# Allegro board mb1260.brd (continued)
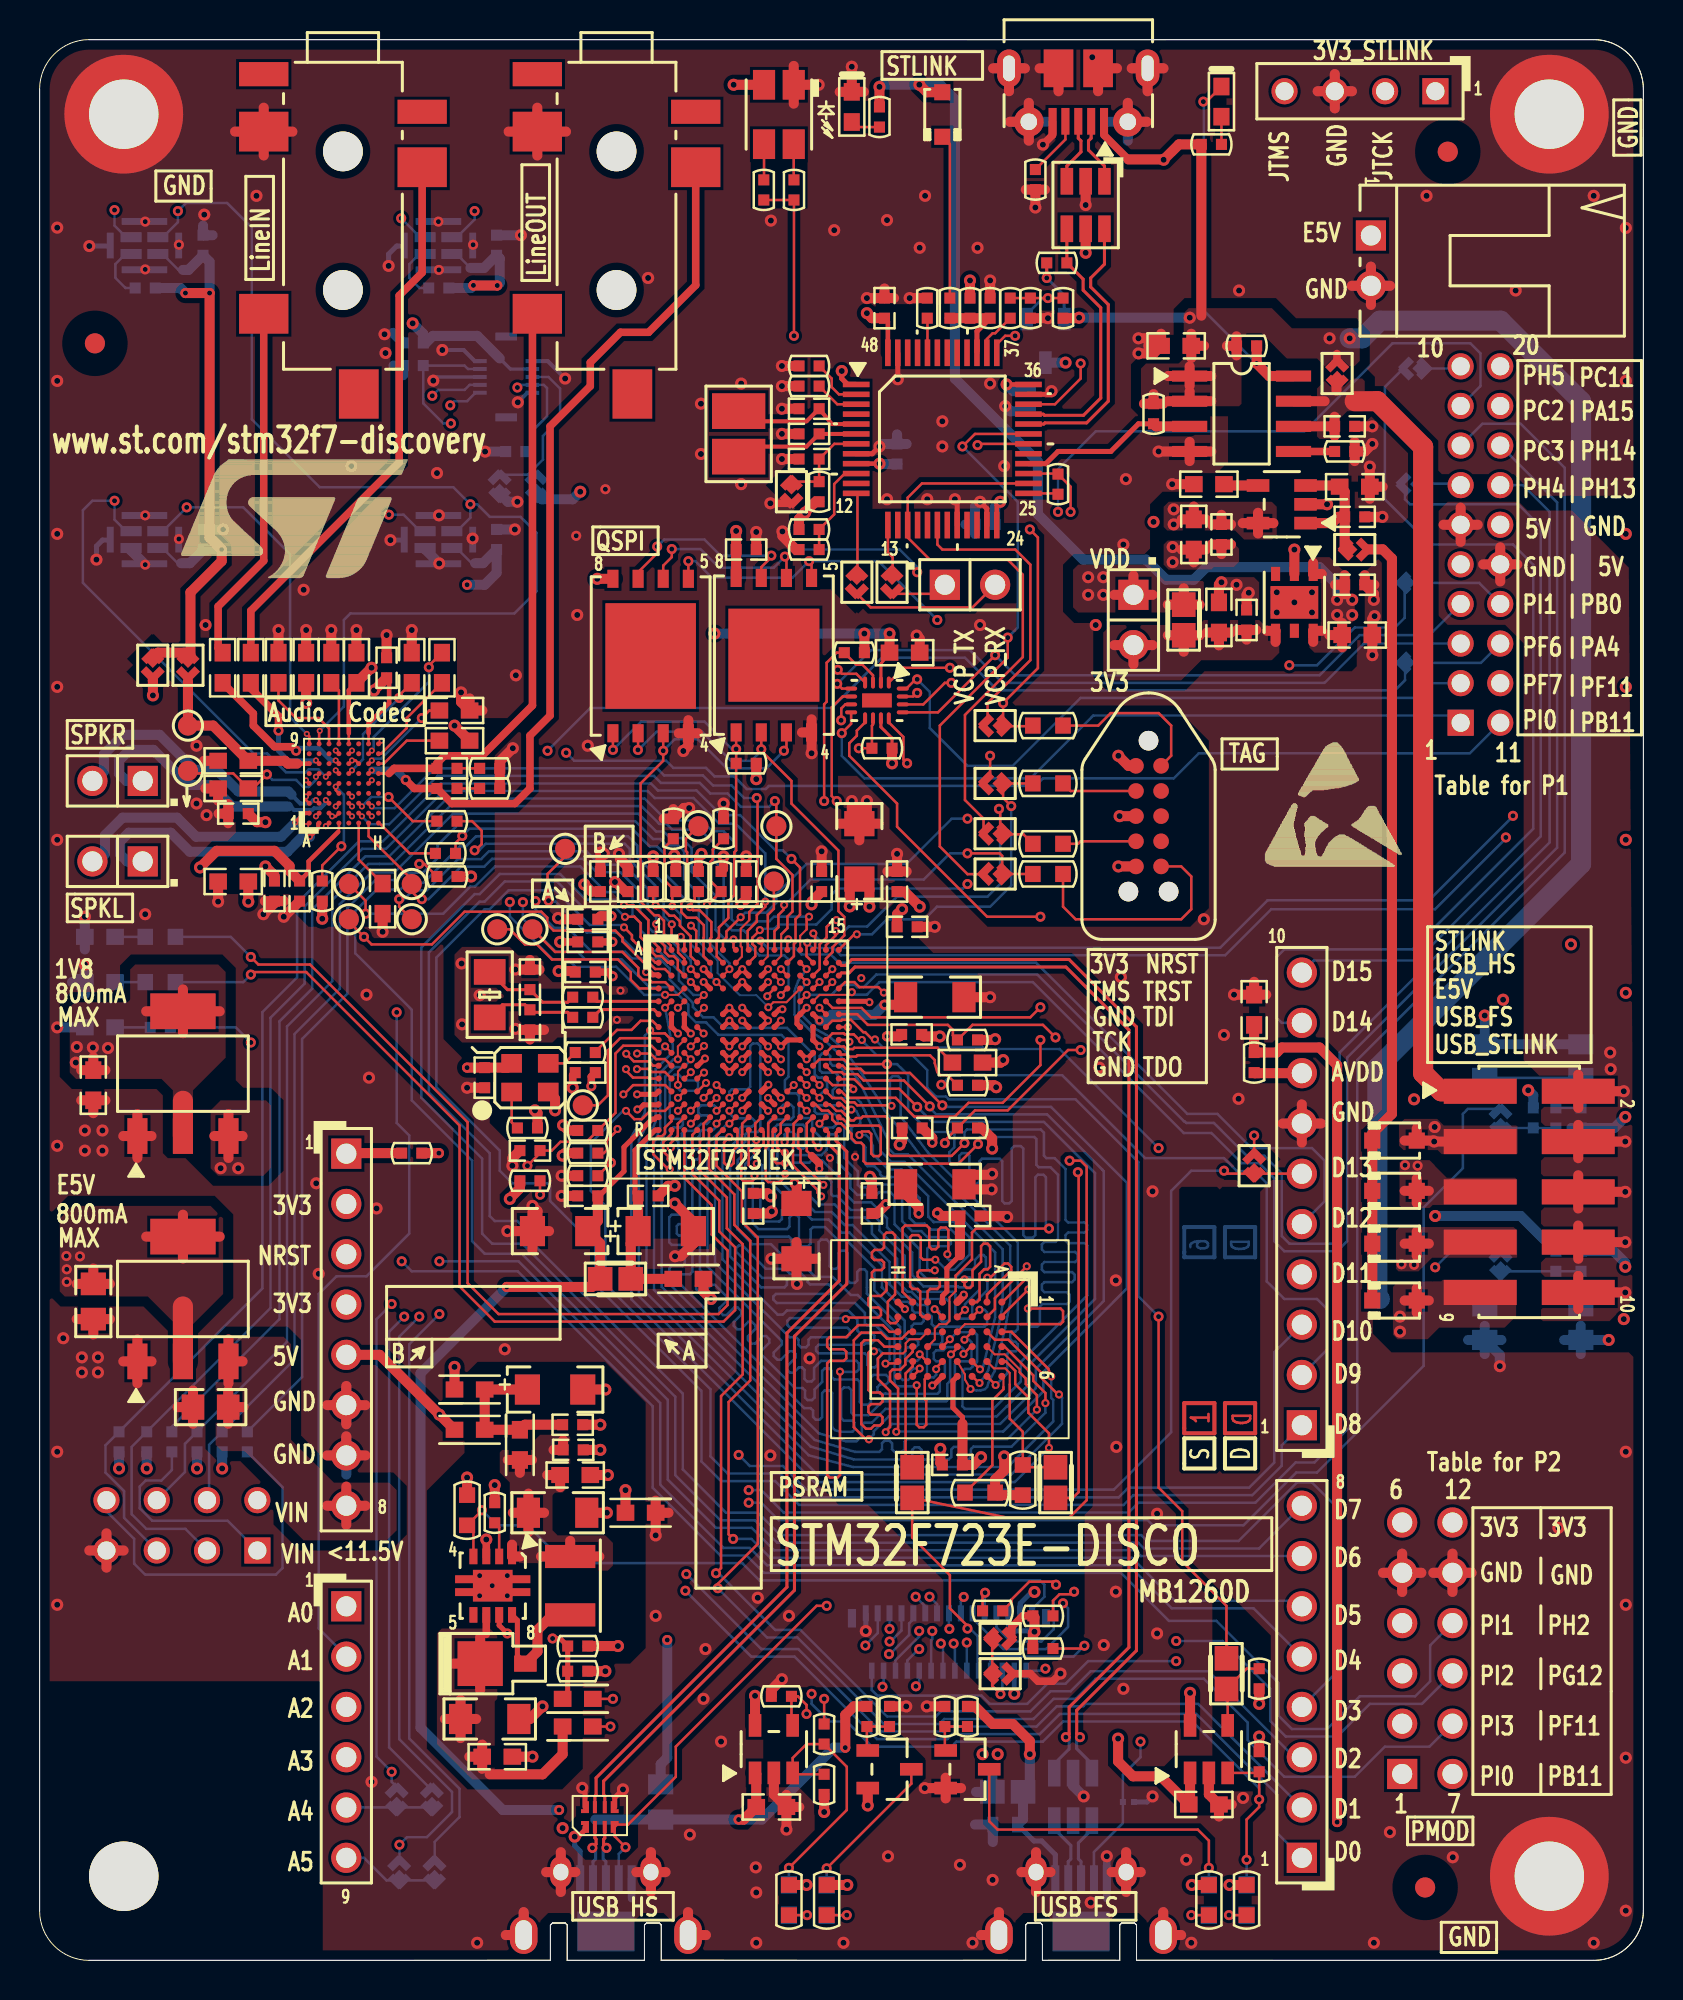
[diagram p0: board, top side]
## Routing (per net, layer and track width the routed paths; a pad name or vN(x,y) marks a point on that pad's centre or on a via; arc(x,y) is an arc through that point) (continued)
5V: length 96.6
  TOP w0.508: 64.32,66.59 U4.6 64.76,67.14 ; v4(44.43,94.72) 44.81,94.34 D1.1 ; 65.91,69.47 65.91,69.95 ; 65.91,69.47 65.43,69.47 ; 65.91,69.47 65.91,68.99 ; 70.91,72.5 P1.6 ; P1.6 71.77,73.36 ; P1.6 71.77,71.64 ; P1.6 72.64,72.5 ; 42.42,93.6 v4(42.42,94.61) ; v4(36.13,13.36) U13.5 ; 77.71,40.51 CN8.4 ; CN8.4 v4(80.09,41.35) ; CN8.4 77.71,42.19 ; 72.91,70.5 P1.15 ; P1.15 73.77,69.64 ; P1.15 73.77,71.36 ; P1.15 74.64,70.5 ; CN8.2 v4(80.01,43.89) ; CN8.2 77.71,43.05 ; CN8.2 77.71,44.73 ; CN8.8 77.71,37.11 ; CN8.8 v4(80.09,36.27) ; CN8.8 77.71,35.43 ; 65.14,66.93 C17.2 ; C17.2 65.79,66.32 ; C17.2 65.79,67.54 ; CN12.5 17.17,30.58 v4(20.19,27.56) L3.1 ; 77.71,37.97 CN8.6 ; CN8.6 v4(80.09,38.81) ; CN8.6 77.71,39.65 ; 64.76,70.02 U4.1 64.32,70.57 ; 77.71,32.89 CN8.10 ; CN8.10 77.71,34.57 ; CN8.10 v4(80.09,33.73) ; U14.5 v4(58.11,13.51)
  L4_SIG w0.508: P1.6 71.77,73.36 ; P1.6 72.64,72.5 ; P1.6 70.91,72.5 ; P1.6 71.77,71.64 ; 73.77,69.64 P1.15 ; P1.15 73.77,71.36 ; P1.15 72.91,70.5 ; P1.15 74.64,70.5
  BOTTOM w0.508: v4(65.53,68.71) 65.53,69.47 64.64,70.36 58.93,70.36 58.29,69.72 56.9,69.72 55.88,70.74 52.7,70.74 50.42,73.03 50.42,75.69 46.23,79.88 46.23,93.98 45.48,94.72 v4(44.43,94.72) 42.53,94.72 v4(42.42,94.61)
  vias: v4(65.53,67.94) v4(66.29,68.71) v4(66.29,67.94) v4(79.32,45.85) v4(79.35,45.01)
5V_ST_LINK: length 44.4
  TOP w0.508: U1.7 64.9,78.74 ; SB3.2 65.5,79.28 ; U1.6 C5.2 ; C5.2 65.41,76.99 ; C5.2 65.41,77.95
  TOP w1.016: CN8.1 70.79,43.89 69.88,44.81 69.88,76.43 67.56,78.74 66.42,78.74
5V_USB_FS: length 42.4
  TOP w0.508: D3.1 70.16,36.2 ; D3.1 69.55,35.58 ; D3.1 68.94,36.2 ; D3.1 69.55,36.81
  L4_SIG w1.016: 68.84,34.22 66.32,31.7 66.32,26.95 64.52,25.15 63.22,25.15 59.94,21.87 59.94,12.32 57.58,9.96 50.98,9.96 50.42,9.4 49.2,9.4
  BOTTOM w0.508: 48.12,9.31 R99.2 47.29,8.51
  vias: v2(68.78,35.15) v2(69.42,35.13) v4(47.62,10.41) v4(48.39,10.41)
5V_USB_HS: length 109
  TOP w0.254: U15.1 27.55,6.59 27.2,6.25 v4(27.03,6.25)
  TOP w0.508: R74.2 41.12,12.83 40.69,12.4 v2(40.69,10.74) ; U13.1 36.2,9.41 C78.1 35.56,7.11 v2(35.31,7.11) ; 68.94,41.4 D5.1 ; D5.1 69.55,42.01 ; D5.1 70.38,41.4 v4(70.43,41.35) CN8.3
  L4_SIG w1.016: 72.06,41.61 72.64,41.02 72.64,29.18 66.75,23.29 66.75,5.54 64.64,3.43 62.84,3.43 62,4.27 62,5.46 61.01,6.45 48.17,6.45 39.29,6.45 37.52,8.23 31.04,8.23 29.57,6.76 28.07,6.76
  BOTTOM w0.254: v4(27.03,6.25) 27.03,5.79 27.3,5.51 CN19.1
  BOTTOM w0.508: 28.07,7.11 R98.2 v2(35.31,7.11) 36.47,7.11 40.11,10.74 v2(40.69,10.74)
  vias: v4(26.42,6.68) v4(70.46,42.09)
5V_USB_ST_LINK: length 103
  TOP w0.381: 54.99,90.95 53.76,92.18 CN1.1 ; SB3.1 65.52,81.14
  TOP w0.508: R11.1 52.48,82.93 v4(52.5,82.96) ; D2.1 70.16,33.32 ; D2.1 68.94,33.32 ; D2.1 69.55,32.71 ; D2.1 69.55,33.93 ; 55.78,78.61 R20.2 ; R20.2 56.74,78.61 ; R20.2 56.26,79.1 ; U21.5 v4(52.83,86.23) ; 56.99,80.01 U1.1 ; U1.1 59.17,80.01 ; U1.1 58.08,79.53 ; U1.1 58.08,80.49 ; C3.2 58.81,81.53 ; C3.2 58.17,80.92 ; C3.2 58.17,82.14 ; 58.67,83.06 R2.2 57.55,91.71 v4(56.77,90.93) 56.75,90.95 54.99,90.95 ; 60.45,81.05 R15.2 ; R15.2 60.45,82.02 ; R15.2 59.97,81.53 ; 56.99,78.74 U1.2 ; U1.2 59.17,78.74 ; U1.2 58.08,79.22
  L4_SIG w0.508: v4(52.5,82.96) 52.5,85.9 v4(52.83,86.23)
  BOTTOM w0.508: v4(52.5,82.96) v4(58.09,82.96)
  BOTTOM w1.016: v4(66.17,81.92) 66.8,81.92 67.69,82.8 73.79,82.8 77.85,78.74 77.85,55.37 67.56,45.09 67.56,33.53 67.69,33.4
  vias: v4(65.15,81.92) v4(68.71,32.51) v4(68.71,31.75)
GND: length 438.4
  TOP w0.127: U7.D6 v3(14.96,60.1) ; U7.C1 v3(14.46,57.28) ; U7.F7 15.96,60.6 v3(15.78,60.6) U7.E7 ; U7.A3 13.46,58.6 v3(13.46,58.78) U7.A4 ; U7.E2 v3(15.78,57.78) ; U7.A5 v3(13.46,59.6) ; U7.E8 v3(15.78,61.1) ; U7.G5 v3(16.78,59.6) ; U7.A1 v3(13.46,57.28) ; U7.H9 v3(17.28,61.6)
  TOP w0.152: 43.05,61.21 43.05,61.72 42.49,62.28 U20.11
  TOP w0.254: U8.J8 v1(35.49,45.51) ; U8.F10 37.36,48.03 v1(37.52,48.03) ; U8.K7 v1(34.84,44.86) 34.51,45.18 U8.K6 ; U2.23 47.84,73.32 v4(47.5,73.66) ; U8.F7 v1(34.84,48.11) 34.51,47.79 U8.F6 ; U8.M8 v1(35.49,43.56) ; U8.D8 v1(35.49,49.41) 35.16,49.09 U8.D7 ; U8.J10 v1(37.44,45.51) ; U2.47 v4(43.34,79.85) ; v4(42.42,76.45) 42.05,76.08 U2.8 ; U8.H7 v1(34.84,46.16) 34.51,46.48 U8.H6 ; U8.J7 v1(34.84,45.51) 34.51,45.83 U8.J6 ; v1(32.24,46.81) U8.G2 U8.F2 ; U8.K8 v1(35.49,44.86) ; U10.H1 v1(43.7,32.89) ; U8.J9 v1(36.79,45.51) ; U15.8 27.55,8.57 v4(27.41,8.71) ; U8.D9 v1(36.79,49.41) ; v1(38.74,48.11) U8.F12 38.25,47.62 38.25,47.3 38.41,47.14 U8.G12 ; U15.5 29.05,8.22 v4(29.46,8.64) ; U8.H12 37.77,46.48 v1(37.44,46.16) U8.H10 ; U8.K9 v1(36.79,44.86) ; U10.E6 45.14,29.03 v1(45.09,29.03) ; v1(30.19,42.97) 30.27,42.97 30.51,43.21 31.24,43.21 U8.N1 ; v4(46.23,73.79) 46.34,73.67 U2.20 ; U8.F8 v1(35.49,48.11) ; v4(51.11,79.25) 50.95,79.08 U2.35 ; U8.M1 31.12,43.74 v1(30.18,43.74) ; U8.G8 v1(35.49,47.46) ; U8.H9 v1(36.79,46.16) ; U8.H8 v1(35.49,46.16) ; U8.G9 v1(36.79,47.46) 36.47,47.78 U8.F9 ; U8.G6 34.51,47.14 v1(34.84,47.46) U8.G7 ; U8.D5 v1(33.54,49.41) ; U8.G10 v1(37.44,47.46) ; U8.K10 v1(37.44,44.86)
  TOP w0.305: U8.M9 36.47,43.88 v1(36.81,44.22)
  TOP w0.381: U10.D1 46.68,33.57 v1(46.68,33.62) ; v4(50.67,91.69) 51.16,92.18 CN1.5 ; C46.1 v4(26.29,51.44) ; v4(51.56,14.49) 51.17,14.1 50.42,14.1 50.04,14.48 ; 50.04,14.48 49.28,14.48 ; 50.04,14.48 50.04,14.49 ; C53.1 26.92,44.7 v4(26.92,44.07) ; SB6.1 v4(36.91,73.58)
  TOP w0.508: R36.1 32.55,58.2 32.8,58.2 32.8,58.19 v4(32.81,58.19) ; R36.1 32,58.14 ; R36.1 31.52,57.66 ; L5.1 v4(31.11,21.46) ; L5.1 31.76,22.61 ; L5.1 31.11,23.22 ; CN4.3 11.32,93.56 ; CN4.3 12.77,92.35 ; CN4.3 9.87,92.35 ; CN4.3 11.32,91.15 ; v4(36.98,37.82) 36.88,37.72 36.04,37.72 ; 23.55,1.28 CN19.9 24.45,2.44 ; C3.1 56.26,81.15 v4(55.5,81.15) ; C3.1 56.64,82.14 ; C3.1 56.26,81.92 v4(55.5,81.92) ; C3.1 55.99,81.53 ; 50.51,95.55 CN1.11 51.46,94.39 ; v4(48.08,38.94) 46.94,38.94 C58.1 46.69,39.32 47.04,39.67 48.06,39.67 v4(48.11,39.73) ; C34.2 41.4,58.24 ; C34.2 40.44,57.4 ; C34.2 41.02,57.78 v4(41.02,58.55) ; C34.2 41.78,57.78 v4(41.78,58.55) ; C34.2 41.4,56.57 ; C34.2 42.37,57.4 ; 54.96,93.8 CN1.8 55.91,92.85 ; U11.1 4.94,31.36 ; U11.1 4.23,30.25 ; U11.1 4.94,29.15 ; U11.1 5.65,30.25 ; CN18.6 50.33,5.46 ; CN18.6 51.06,4.46 ; CN18.6 49.59,4.46 ; CN18.6 50.33,3.46 ; C93.1 23.88,40.51 v4(23.88,40.13) ; C57.1 3.32,43.43 ; C57.1 2.1,43.43 ; C57.1 2.71,42.79 ; 44.83,83.95 v4(43.94,83.95) ; 58.08,75.72 U1.4 ; U1.4 58.08,76.68 ; U1.4 59.17,76.2 ; U1.4 v4(56.52,76.2) ; CN11.7 63.75,43.23 ; CN11.7 64.72,42.26 ; CN11.7 63.75,41.3 ; CN11.7 62.78,42.26 ; C40.1 43.79,54.99 ; C40.1 42.82,54.99 ; C40.1 v4(43.31,55.88) ; C28.2 v4(20.95,62.36) ; C55.1 v4(21.59,44.07) ; 49.01,92.85 CN1.9 ; CN1.9 49.96,91.9 ; CN1.9 49.96,93.8 ; 44.58,42.04 45.09,41.53 v2(45.09,41.3) ; 56.75,2.44 CN18.8 57.65,1.28 ; U9.1 5.65,41.63 ; U9.1 4.94,42.74 ; U9.1 4.23,41.63 ; U9.1 4.94,40.52 ; v4(48.31,44.09) 48.21,44.2 R54.2 ; LD4.1 38.09,95.67 ; LD4.1 v4(39.35,94.72) ; LD4.1 38.09,93.77 ; 57.68,71.25 C11.1 ; C11.1 58.29,70.6 ; C11.1 58.9,71.25 ; v4(45.49,25.83) 45.49,25.12 C71.1 ; U6.4 32.77,61.34 32.51,61.09 v4(32.51,61.07) ; U6.4 33.25,61.97 ; U6.4 32.77,62.63 ; U6.4 32.28,61.97 ; 11.38,53.49 C41.2 ; C41.2 11.86,53.39 v4(11.3,52.83) ; C41.2 12.34,53.49 ; C20.2 v4(13.46,67.18) ; C66.2 38.23,34.29 38.25,34.26 v4(38.25,34.16) ; C66.2 38.23,36.27 ; C66.2 39.19,35.43 ; C66.2 v4(36.96,35.43) ; T1.2 v4(41.83,7.82) ; CN9.3 v4(54.55,57.78) ; C64.2 25.15,37.08 25.15,37.85 v4(24.89,38.1) ; C64.2 v4(23.62,36.83) ; C64.2 24.89,37.8 ; C64.2 24.89,35.86 ; C64.2 25.73,36.83 ; 64.55,94.39 CN2.3 ; CN2.3 66.28,94.39 ; CN2.3 65.42,95.26 ; CN2.3 65.42,93.53 ; 7.75,27.1 7.75,27.94 ; 7.75,27.94 7.75,28.78 ; 7.75,27.94 6.97,27.94 ; v4(67.31,76.58) 66.93,76.2 R22.2 ; 2.51,20.7 CN14.7 ; CN14.7 3.38,19.84 ; CN14.7 4.24,20.7 ; CN14.7 3.38,21.57 ; C60.1 31.75,39.12 v4(32.08,39.12) ; v4(48.67,45.47) 48.54,45.34 C54.2 ; CN3.2 67.24,85.53 ; CN3.2 67.24,83.6 ; CN3.2 66.27,84.57 ; CN3.2 68.2,84.57 ; C92.2 44.45,66.75 v4(44.3,66.9) ; CN12.6 16.46,28.04 ; CN12.6 14.52,28.04 ; CN12.6 15.49,29.01 ; CN12.6 15.49,27.07 ; C21.2 v4(14.73,67.18) ; 8.37,59.18 C31.1 9.02,58.57 ; v4(48.87,37.54) 48.82,37.59 C63.1 ; v4(48.01,48.64) C49.1 ; LD2.2 v4(41.02,95.63) ; LD2.2 41.63,94.36 ; LD2.2 40.41,94.36 ; 54.88,3.46 CN18.7 ; CN18.7 55.61,4.46 ; CN18.7 54.14,4.46 ; CN18.7 54.88,5.46 ; 71.36,18.61 P2.11 ; P2.11 71.36,20.54 ; P2.11 72.32,19.57 ; P2.11 70.39,19.57 ; P2.5 68.82,20.54 ; P2.5 68.82,18.61 ; P2.5 67.85,19.57 ; P2.5 69.78,19.57 ; C51.1 25.48,46.99 ; C51.1 24.77,46.51 ; C51.1 24.28,46.99 ; R26.1 38.2,71.25 37.52,71.93 v4(37.52,72.16) ; 33.65,1.28 CN19.8 32.75,2.44 ; C36.1 28.32,55.99 28.34,55.97 28.41,55.97 v4(28.5,55.88) ; C5.1 v4(67.31,77.47) ; C38.1 v4(35.69,55.75) ; T2.2 45.76,9.22 ; T2.2 v4(44.7,8.7) ; T2.2 46.54,8.7 ; T2.2 45.76,8.18 ; C14.1 66.93,69.95 ; C14.1 67.41,69.47 ; C14.1 67.39,69.01 v4(67.39,68.71) ; 49.81,89.42 R9.1 ; R9.1 v4(50.29,88.52) ; R9.1 50.78,89.42 ; 48.96,94.39 CN1.7 ; CN1.7 48.16,95.55 ; CN1.7 49.76,95.55 ; C50.1 v4(60.33,48.77) ; C50.1 61.95,48.77 ; C50.1 61.34,49.42 ; U13.2 37.08,8.38 C78.2 ; C22.2 v4(16,67.18) ; CN9.5 v4(54.48,55.24) ; 48.01,83.95 v4(48.01,84.84) ; CN19.6 27.06,4.46 ; CN19.6 25.59,4.46 ; CN19.6 26.32,5.46 ; CN19.6 26.32,3.46 ; R33.2 R31.2 23.24,60.55 v4(23.9,61.21) ; v4(37.49,14.2) 36.96,13.67 R16.1 ; 42.67,83.95 v4(41.78,83.95) ; 42.67,83.95 43.16,83.95 ; 42.67,83.95 42.67,84.43 ; v4(26.21,49.96) 27,49.96 C47.1 ; C78.2 v4(37.72,6.6) ; C78.2 37.72,8.36 ; C78.2 38.37,7.75 ; C39.1 v4(39.5,56.01) ; v4(21.29,64.03) 21.29,63.55 C26.2 ; R17.1 v4(37.49,80.52) ; C8.1 v4(57.2,74.55) ; 48.45,2.44 CN18.9 47.55,1.28 ; C15.1 59.56,69.47 v4(59.69,69.6) ; C29.1 8.31,60.58 ; CN12.7 15.49,26.47 ; CN12.7 16.46,25.5 ; CN12.7 14.52,25.5 ; R22.2 66.42,76.68 ; R22.2 66.42,75.72 ; X3.2 26.04,43.51 v4(26.04,42.93) ; C77.2 60.21,7.87 ; C77.2 59.56,7.26 ; C77.2 59.05,8.38 U14.2 ; v4(26.19,52.64) 26.21,52.64 26.28,52.58 C44.1 ; 43.05,61.21 v4(43.05,60.45) ; C9.1 67.83,74.42 ; C9.1 v4(67.18,75.44) ; C9.1 67.18,73.81 ; C24.2 v4(18.8,67.18) ; 38.51,62.01 38.99,62.01 ; 38.99,62.01 38.99,62.67 ; 38.99,62.01 v4(38.99,60.96) ; U4.2 v4(63.37,71.25) ; CN5.3 26.59,92.35 ; CN5.3 25.14,93.56 ; CN5.3 25.14,91.15 ; CN5.3 23.69,92.35 ; C52.1 44.65,46.66 v4(45.47,46.66) ; 1.87,32.38 C68.1 ; C68.1 2.71,31.61 ; C68.1 3.55,32.38 ; C33.2 9.53,58.4 ; C33.2 9.53,57.43 ; C33.2 9.04,57.91 ; R8.1 v4(50.93,82.93) ; C13.1 v4(36.2,72.14) ; C6.1 v4(37.49,77.09) ; C16.1 60.96,68.96 v4(61.07,69.07) ; v4(67.31,65.91) C17.1 67.31,67.74 67.43,67.86 v4(67.43,67.89) ; 30.14,4.46 CN19.7 ; CN19.7 30.87,3.46 ; CN19.7 30.87,5.46 ; CN19.7 31.61,4.46 ; C10.1 v4(67.82,72.9) ; v4(32.08,38.23) 33.02,37.29 C65.2 33.02,36.2 32.38,35.56 v4(32.09,35.56) ; v2(42.74,38.18) 42.75,38.18 42.29,37.72 42.04,37.72 ; 55.16,95.55 CN1.6 ; CN1.6 56.76,95.55 ; CN1.6 55.96,94.39 ; 54.41,95.55 CN1.10 53.46,94.39 ; R76.1 v4(44.81,12.83) ; C26.2 21.72,63.73 ; C26.2 22.37,63.12 ; C48.1 25.25,50.04 ; C48.1 v4(24.03,50.04) ; C48.1 24.77,50.52 ; R37.1 v4(34.54,58.42) ; C19.1 v4(12.06,67.18) ; C42.2 12.34,52.7 v4(12.33,52.7) ; C23.2 v4(17.53,66.93) ; C4.1 v4(37.49,78.36) ; U21.2 v4(52.83,88.65) ; R75.2 v4(43.77,12.83) ; R19.1 v4(37.49,79.5) ; C12.1 60.17,71.5 ; C12.1 59.21,71.5 ; C12.1 59.69,71.02 ; C45.1 v4(45.21,52.2) ; C43.1 v4(17.32,51.94) ; U3.2 v4(65.02,73.53) ; C59.1 v4(26.37,38.61) ; v4(29.26,55.88) 29.31,55.83 29.31,55.63 29.72,55.22 C37.1 ; C35.1 v4(9.02,53.47) ; R61.1 v4(26.37,39.62) ; C7.1 v4(37.49,75.82)
  L4_SIG w0.508: 56.75,2.44 CN18.8 57.65,1.28 ; CN1.9 50.91,92.85 ; CN1.9 49.96,91.9 ; CN1.9 49.01,92.85 ; CN1.9 49.96,93.8 ; 24.45,2.44 CN19.9 23.55,1.28 ; P2.11 72.32,19.57 ; P2.11 70.39,19.57 ; P2.11 71.36,20.54 ; 48.96,94.39 CN1.7 ; CN1.7 48.16,95.55 ; CN1.7 49.76,95.55 ; CN18.6 51.06,4.46 ; CN18.6 49.59,4.46 ; CN18.6 50.33,3.46 ; CN18.6 50.33,5.46 ; P2.5 69.78,19.57 ; P2.5 68.82,20.54 ; P2.5 67.85,19.57 ; 54.88,3.46 CN18.7 ; CN18.7 54.88,5.46 ; CN18.7 54.14,4.46 ; CN18.7 55.61,4.46 ; 30.14,4.46 CN19.7 ; CN19.7 31.61,4.46 ; CN19.7 30.87,3.46 ; CN19.7 30.87,5.46 ; 54.96,91.9 CN1.8 ; CN1.8 55.91,92.85 ; CN1.8 54.96,93.8 ; CN1.8 54.01,92.85 ; CN3.2 68.2,84.57 ; CN3.2 66.27,84.57 ; CN3.2 67.24,83.6 ; CN3.2 67.24,85.53 ; 26.32,3.46 CN19.6 ; CN19.6 27.06,4.46 ; CN19.6 25.59,4.46 ; 3.38,19.84 CN14.7 ; CN14.7 3.38,21.57 ; CN14.7 2.51,20.7 ; CN14.7 4.24,20.7 ; 33.65,1.28 CN19.8 32.75,2.44 ; 48.45,2.44 CN18.9 47.55,1.28 ; 55.16,95.55 CN1.6 ; CN1.6 55.96,94.39 ; CN1.6 56.76,95.55 ; CN2.3 66.28,94.39 ; CN2.3 64.55,94.39 ; CN2.3 65.42,93.53
  BOTTOM w0.178: v4(19.88,79.78) 20.07,79.96 CN16.3
  BOTTOM w0.203: v4(24.15,78.68) 24.63,79.16 CN16.6 ; CN16.10 25.66,80.76 v4(26.54,79.88) ; v4(20.34,81.32) 21.42,81.32 21.98,80.76 CN16.1
  BOTTOM w0.254: v4(17.63,85.57) 17.63,86.17 18.03,86.57 U16.5 ; U23.2 55.93,8 v4(56.21,8.28) ; CN17.1 v4(41.73,16.63) ; U17.5 v4(2.51,86.57) ; U18.5 v4(17.72,71.72) ; U19.5 3.17,71.72 2.87,71.42 v4(2.87,70.74) ; v4(50.25,18.61) 50.1,18.61 49.53,18.03 CN17.27
  BOTTOM w0.381: v4(53.9,5.26) 53.9,5.26 CN18.5 53.9,3.12 ; 29.9,3.12 CN19.5
  BOTTOM w0.508: 15.49,26.47 CN12.7 15.49,24.53 ; 24.45,2.44 CN19.9 23.55,1.28 ; CN3.2 67.24,85.53 ; CN3.2 66.27,84.57 ; CN3.2 68.2,84.57 ; 47.55,1.28 CN18.9 48.45,2.44 ; CN2.3 65.42,95.26 ; CN2.3 66.28,94.39 ; CN2.3 64.55,94.39 ; CN2.3 65.42,93.53 ; 8.26,72.26 v4(9.27,72.26) ; P2.11 72.32,19.57 ; P2.11 70.39,19.57 ; P2.11 71.36,18.61 ; P2.11 71.36,20.54 ; CN19.7 31.61,4.46 ; CN19.7 30.87,5.46 ; CN19.7 30.87,3.46 ; U19.2 4.62,71.2 v2(5.33,70.48) ; 54.96,91.9 CN1.8 ; CN1.8 55.91,92.85 ; CN1.8 54.01,92.85 ; CN1.8 54.96,93.8 ; 72.15,31.33 B2.2 ; B2.2 72.99,30.62 ; B2.2 72.99,32.04 ; B2.2 73.75,30.57 v4(73.75,30.01) ; B2.2 73.83,31.33 ; 25.59,4.46 CN19.6 26.32,3.46 ; 8.74,87.12 C80.2 8.26,87.61 ; CN1.9 49.96,93.8 ; CN1.9 49.96,91.9 ; CN1.9 49.01,92.85 ; CN1.9 50.91,92.85 ; LD1.2 v4(0.89,47.12) ; U18.2 19.47,71.26 v4(20.18,70.55) ; C82.1 43.79,76.58 ; C82.1 43.31,77.06 ; C82.1 42.55,76.58 v4(42.42,76.45) ; R89.1 79.53,42.04 v4(80.09,42.6) ; R89.1 77.37,42.04 ; R89.1 77.85,41.55 ; CN14.7 3.38,21.57 ; CN14.7 3.38,19.84 ; CN14.7 2.51,20.7 ; 2.29,48.79 LD6.2 ; LD6.2 v4(2.29,50.29) ; LD6.2 1.64,49.4 ; B2.4 v4(79.25,31.33) ; B2.4 77.84,32.04 ; B2.4 77.84,30.62 ; B2.4 77,31.33 ; 49.59,4.46 CN18.6 50.33,3.46 ; 68.82,18.61 P2.5 ; P2.5 67.85,19.57 ; P2.5 68.82,20.54 ; P2.5 69.78,19.57 ; C81.1 49.02,78.23 v4(48.77,78.49) ; 56.75,2.44 CN18.8 57.65,1.28 ; CN1.7 49.76,95.55 ; CN1.7 48.16,95.55 ; CN1.7 48.96,94.39 ; U22.2 52.2,8.81 v4(52.73,8.28) ; C2.2 17.85,82.19 ; v4(2.29,52.7) LD5.2 2.29,51.05 ; C79.2 v4(24.31,87.12) ; 55.96,94.39 CN1.6 ; CN1.6 55.16,95.55 ; CN1.6 56.76,95.55 ; v4(47.5,73.66) 47.24,73.41 C83.1 ; CN18.7 54.88,5.46 ; CN18.7 54.88,3.46 ; CN18.7 55.61,4.46 ; C87.1 79.5,35.81 80.09,35.23 v4(80.09,35.03) ; 15.49,29.01 CN12.6 15.49,27.07 ; 17.88,80.54 R21.1 18.36,80.05 ; 46.76,72.52 C83.1 ; C83.1 47.24,72.03 ; SB2.2 23.65,73.66 v4(24.13,73.66) ; 75.44,43.05 75.44,43.69 v4(75.18,43.94) ; 32.75,2.44 CN19.8 33.65,1.28 ; 48.14,5.98 U24.2 47.24,6.86 ; 23.08,72.26 v4(24,72.26) ; R18.1 v4(22.5,76.19)
  vias: v1(29.16,47.5) v1(29.34,48.97) v1(39.92,40.52) v1(41.18,40.58) v1(41.5,49.61) v2(5.33,87.81) v2(5.33,85.39) v2(5.33,72.97) v2(7.04,86.64) v2(7.04,71.78) v2(20.14,87.81) v2(20.17,85.37) v2(21.89,86.64) v2(27.1,71.94) v2(28.57,74.3) v4(0.89,87.5) v4(0.89,79.76) v4(0.89,72.04) v4(0.89,64.31) v4(0.89,56.59) v4(0.89,41.14) v4(0.89,25.69) v4(0.89,17.96) v4(1.19,31.42) v4(2.13,30.45) v4(2.13,29.69) v4(2.29,41.91) v4(2.29,40.89) v4(2.95,30.45) v4(2.95,29.69) v4(3.17,41.91) v4(3.17,40.89) v4(5.33,52.83) v4(7.92,61.34) v4(7.92,58.42) v4(8.32,88.16) v4(8.38,67.44) v4(8.43,57.84) v4(10.95,89.11) v4(13.34,69.22) v4(13.97,39.24) v4(14.1,34.67) v4(15.75,75.46) v4(16.51,48.77) v4(16.64,44.58) v4(16.76,9.02) v4(17.02,37.97) v4(17.42,82.12) v4(17.47,81.17) v4(20.07,75.11) v4(20.17,72.97) v4(21.31,50.34) v4(21.34,47.27) v4(21.87,71.81) v4(22.1,0.89) v4(22.23,48.74) v4(23.5,30.86) v4(24.03,47.04) v4(24.05,64.9) v4(27.15,67.94) v4(27.69,61.34) v4(30.73,84.96) v4(31.11,17.4) v4(32.84,6.35) v4(33.4,78.61) v4(33.4,76.07) v4(33.53,13.21) v4(33.63,15.72) v4(34.42,11.05) v4(35.43,79.63) v4(35.43,74.55) v4(36.17,4.7) v4(36.2,3.43) v4(36.2,0.89) v4(36.27,18.31) v4(36.93,87.86) v4(36.91,25.5) v4(37.85,17.4) v4(38.89,30.4) v4(40.13,87.38) v4(40.6,0.89) v4(42.8,87.88) v4(42.8,73.79) v4(42.85,5.26) v4(44.45,86.49) v4(44.72,89.11) v4(44.83,73.79) v4(45.59,77.72) v4(45.59,76.45) v4(46.48,4.83) v4(47.12,0.89) v4(47.37,86.49) v4(47.5,67.44) v4(48.01,79.63) v4(48.13,4.06) v4(48.72,75.46) v4(53.09,2.92) v4(53.16,96.11) v4(53.34,67.44) v4(53.52,45.09) v4(53.75,15.93) v4(54.36,34.34) v4(54.38,25.93) v4(54.36,18.62) v4(54.61,49.66) v4(54.74,71.5) v4(54.74,13.72) v4(54.86,74.8) v4(56.21,38.84) v4(56.44,22.56) v4(56.44,16.51) v4(57.23,71.37) v4(57.23,70.61) v4(57.91,5.08) v4(58.17,0.89) v4(58.8,52.58) v4(59.82,46.74) v4(60.45,69.47) v4(60.58,84.33) v4(60.55,43.51) v4(60.78,8.2) v4(62.48,69.09) v4(62.48,68.07) v4(63.37,68.58) v4(64.26,69.09) v4(64.26,68.07) v4(67.39,0.89) v4(68.2,6.48) v4(69.42,43.48) v4(70.05,89.11) v4(71.37,5.21) v4(73.91,48.51) v4(74.55,84.33) v4(76.71,21.84) v4(77.34,51.31) v4(78.49,89.11) v4(78.49,0.89) v4(80.01,32.38) v4(80.11,87.49) v4(80.11,79.76) v4(80.11,72.04) v4(80.11,64.31) v4(80.11,56.59) v4(80.11,48.86) v4(80.11,25.69) v4(80.11,17.96) v4(80.11,10.24) v4(80.11,2.51)
V12_OTGPHY: length 6.9
  TOP w0.127: C54.1 45.35,46.09 41.15,46.09 41.08,46.02 40.75,46.02 40.62,46.15 40.03,46.15 U8.J14
VDD: length 69.8
  TOP w0.254: U8.C5 v1(33.54,50.06) ; U8.C9 v1(36.79,50.06) ; v1(30.63,49.91) 30.83,49.91 30.97,49.77 31.22,49.77 U8.C1 ; v1(32.89,46.81) U8.G3 U8.F3 ; U8.N10 37.11,43.23 36.79,43.55 v1(36.79,43.55) ; U8.N9 36.46,43.23 v1(36.79,42.91) ; U8.N8 35.8,43.23 35.49,42.92 v1(35.49,42.91) ; v1(33.6,45.55) 33.24,45.18 U8.K4 ; U8.J13 39.06,45.83 v1(38.74,45.51) U8.J12 ; U8.C7 35.16,49.73 v1(35.49,50.06) U8.C8 ; U8.G13 U8.H13 v1(39.39,46.16)
  TOP w0.381: C53.2 27.86,44.63 v2(27.86,44.15) ; C47.2 28.73,49.91 28.94,49.7 v2(28.94,49.7) ; R68.1 49.66,17.4 49.1,16.84 SB15.1 ; C46.2 v2(28.93,51.44)
  TOP w0.508: C52.2 43.44,46.66 v2(42.8,46.66) ; v2(35.41,53.31) 35.69,53.59 35.69,53.98 ; 56.98,68.47 R27.1 ; R27.1 57.78,69.29 ; R27.1 58.59,68.47 ; 43.31,53.98 43.69,53.98 v4(44.45,53.21) ; C66.1 38.24,38.24 38.24,39.13 38.13,39.24 v2(38.13,39.25) ; L1.1 33.53,33.78 v4(33.91,33.4) ; C62.2 42.04,39.47 v4(41.94,39.57) ; v4(29.06,54.46) 29.11,54.46 29.59,53.98 29.72,53.98 ; 54.28,68.96 JP1.1 ; JP1.1 56.21,68.96 ; JP1.1 55.24,69.93 ; v2(28.88,52.73) 28.35,52.73 C44.2 ; 43.31,52.2 43.31,52.83 v4(43.56,53.09) ; v4(41.91,53.21) 41.91,54.1 C34.1 40.92,54.12 v4(40.92,53.23) ; 39.5,53.98 38.99,53.47 v4(38.99,53.33) ; C61.2 36.78,38.73 v4(36.93,38.58) ; R70.1 50.16,16.52 v4(50.25,16.6) 50.25,17.32 R68.1 ; v4(43.44,41.2) 43.44,41.25 43.56,41.38 C56.2 ; v4(27.51,54.34) 27.87,53.98 28.32,53.98
  L4_SIG w0.508: v4(50.25,16.6) 50.92,17.27 51.86,17.27 53.01,18.42 53.01,32.21 52.45,32.77 52.45,36.91 51.1,38.25 47.73,38.25 46.66,39.32 45.01,39.32 43.44,40.89 v4(43.44,41.2)
  BOTTOM w0.254: v4(50.25,16.6) 50.21,16.64 49.28,16.64 48.93,16.99 CN17.25
  vias: v4(52.96,69.85) v4(52.96,68.96) v4(53.72,69.85) v4(53.72,68.96)
VDDA: length 10.4
  TOP w0.254: U8.R1 31.09,41.93 30.07,40.91 30.07,38.76 C60.2
  TOP w0.508: C60.2 C65.1 29.86,36.21 R62.2 L1.2
VIN: length 9.2
  TOP w0.508: CN12.8 15.49,23.93 ; CN12.8 16.46,22.96 ; CN12.8 15.49,21.99 ; CN12.8 14.52,22.96 ; C74.2 9.53,28.78 ; C74.2 9.53,27.1 ; C74.2 10.3,27.94 ; U11.3 10.25,30.25 ; U11.3 9.54,31.36 ; U11.3 9.54,29.15
AIN_1: length 5
  TOP w0.127: U2.10 40.66,75.08 40.13,74.56 40.13,73.03 R25.2 R26.2
ARD_A0: length 34.9
  TOP w0.127: v1(31.88,41.05) 31.88,41.27 32.23,41.63 32.23,42.25 32.56,42.58 U8.P3
  L4_SIG w0.102: CN15.1 15.49,19.86 18.58,22.95 18.58,29.38 22.35,33.15 27.51,33.15 30.78,36.42 30.78,40.11 31.72,41.05 v1(31.88,41.05)
ARD_A1: length 138.7
  TOP w0.127: v1(32.89,42.91) 32.89,42.91 U8.N4
  L4_SIG w0.102: v2(18.03,47.88) 18.03,48.9 24.38,55.24 24.38,59.82 v2(25.65,61.09) ; CN15.2 14.48,16.35 14.48,19.43 18.1,23.05 18.1,29.53 22.1,33.53 27.41,33.53 30.45,36.58 30.45,40.34 32.89,42.77 v1(32.89,42.91)
  BOTTOM w0.127: 68.96,65.53 68.96,64.64 68.45,64.14 48.39,64.14 46.74,65.79 42.55,65.79 40.01,63.25 27.81,63.25 v2(25.65,61.09) ; CN15.2 15.49,15.37 14.1,16.76 14.1,33.66 14.99,34.54 16.51,34.54 18.67,36.7 18.67,41.66 18.03,42.29 v2(18.03,47.88)
ARD_A2: length 45.3
  TOP w0.127: v1(34.19,43.56) 34.19,43.56 U8.N5
  L4_SIG w0.102: CN15.3 14.79,13.5 14.79,14.44 14.1,15.14 14.1,19.56 17.4,22.86 17.4,29.46 19.68,31.75 19.68,33.27 21.72,35.31 26.04,35.31 29.54,38.81 29.54,40.71 31.37,42.54 31.37,43.84 32.09,44.56 32.39,44.56 33.01,43.94 33.8,43.94 v1(34.19,43.56)
ARD_A3: length 47
  TOP w0.127: U8.L1 30.78,44.53 30.74,44.58 29.97,44.58 29.62,44.93 v1(29.62,45.01)
  L4_SIG w0.102: CN15.4 14.43,11.32 14.43,14.25 13.79,14.88 13.79,33.1 15.11,34.42 16.51,34.42 21.46,39.37 21.67,39.37 21.72,39.42 24.56,39.42 25.53,40.39 25.53,40.51 26.29,41.27 26.8,41.27 27.59,42.06 27.59,42.65 28.02,43.08 28.02,43.67 29.25,44.91 29.29,44.91 29.39,45.01 v1(29.62,45.01)
ARD_A4: length 46.1
  TOP w0.127: U8.M2 31.6,44.2 29.98,44.2 29.51,43.74 v1(29.48,43.74)
  L4_SIG w0.102: v2(18.41,32.51) 18.41,33.27 19.56,34.42 19.56,35.38 21.51,37.34 25.91,37.34 27.69,39.12 27.69,40.87 28.5,41.68 28.5,42.27 28.93,42.7 28.93,43.2 29.46,43.74 v1(29.48,43.74)
  BOTTOM w0.127: 19.69,8.71 17.65,10.75 17.65,31.75 v2(18.41,32.51)
ARD_A5: length 49.8
  TOP w0.127: U8.M3 v1(32.24,43.56)
  L4_SIG w0.102: v1(32.24,43.56) 31.85,43.17 31.85,42.31 30.9,41.35 30.9,41.21 30.15,40.46 30.15,37.08 28.07,35 21.84,35 20.19,33.35 v2(20.19,32.64)
  BOTTOM w0.127: v2(20.19,32.64) 18.67,31.11 18.67,11.21 21.21,8.67 21.21,7.24 19.95,5.98 SB37.1
ARD_D0: length 63.5
  TOP w0.127: U8.R2 31.91,41.74 31.5,41.33 31.5,40.85 v1(31.86,40.49)
  L4_SIG w0.102: v1(31.86,40.49) 31.72,40.49 31.14,39.9 31.14,29.84 32.13,28.85 32.13,19.15 v2(32.61,18.67)
  BOTTOM w0.127: CN13.1 62.53,6.4 62.53,8.33 58.42,12.45 51.53,12.45 50.51,11.43 46.1,11.43 45.85,11.18 42.29,11.18 38.13,15.34 35.94,15.34 v2(32.61,18.67)
ARD_D1: length 61.7
  TOP w0.127: v1(31.83,39.95) 31.75,39.95 30.99,40.71 30.99,41.36 31.25,41.61 31.43,41.61 31.58,41.77 31.58,42.05 31.91,42.38 U8.P2
  L4_SIG w0.102: v1(31.83,39.95) 31.5,39.62 31.5,29.97 32.45,29.02 32.45,19.72 v2(32.66,19.51)
  BOTTOM w0.127: CN13.2 58.52,12.95 52.83,12.95 52.7,12.83 51.37,12.83 50.35,11.81 45.92,11.81 45.67,11.56 42.48,11.56 38.32,15.72 36.45,15.72 v2(32.66,19.51)
ARD_D2: length 60
  TOP w0.127: v2(34.16,19.55) 34.16,19.56 34.42,19.81 34.42,28.5 35.51,29.59 35.51,36.17 34.71,36.97 34.71,38.52 33.35,39.88 33.35,41.38 33.53,41.56 33.53,42.25 U8.P5
  BOTTOM w0.127: CN13.3 63.37,10.26 59.03,14.61 53.09,14.61 52.07,13.59 51.05,13.59 50.04,12.57 45.52,12.57 45.26,12.32 42.8,12.32 38.43,16.69 37.15,16.69 34.29,19.55 v2(34.16,19.55)
ARD_D3: length 95.1
  TOP w0.127: U8.B2 31.74,50.38 31.4,50.71 31.13,50.71 30.95,50.9 30.95,51.08 30.37,51.66 30.37,51.68 30.35,51.69 30.35,52.39 30.04,52.7 29.59,52.7 29.59,52.7 v1(29.56,52.7)
  BOTTOM w0.127: CN13.4 65.53,14.58 65.53,22.86 64.26,24.13 63.5,24.13 60.55,21.18 55.93,21.18 55.64,21.48 37.41,21.48 36.28,22.61 34.67,22.61 32.49,24.79 32.49,28.62 24.38,36.73 24.38,37.08 24.13,37.34 22.99,37.34 22.73,37.59 22.73,40.77 19.66,43.84 19.66,50.9 22.23,53.47 22.48,53.47 23.5,54.48 26.13,54.48 27.42,53.19 29.06,53.19 29.55,52.7 v1(29.56,52.7)
ARD_D4: length 76.3
  TOP w0.127: U8.G4 v1(33.54,46.81)
  L4_SIG w0.102: v1(33.54,46.81) 33.19,47.16 32.09,47.16 31.88,46.94 31.88,46.38 31.95,46.3 31.95,46.01 31.22,45.28 31.22,44.63 30.65,44.06 30.65,43.6 30.4,43.35 29.51,43.35 29.24,43.08 29.24,42.57 28.8,42.14 28.8,41.56 28.07,40.82 28.02,40.77 28.02,38.56 25.63,36.17 21.06,36.17 v2(20.19,35.31)
  BOTTOM w0.127: CN13.5 61.31,17.78 57.18,17.78 55.01,19.95 36.74,19.95 35.86,20.83 34.54,20.83 31.34,24.03 31.34,28.15 24.19,35.31 v2(20.19,35.31)
ARD_D5: length 119.3
  TOP w0.127: U8.R5 33.81,41.88 33.81,39.97 35.09,38.68 35.09,37.14 35.89,36.34 35.89,29.29 34.8,28.19 34.8,21.51 v2(35.03,21.29)
  L4_SIG w0.102: v2(63.12,65.41) 61.72,64.01 61.72,46.74 62.36,46.1 64.39,46.1 64.9,45.59 64.9,38.35 66.93,36.32 70.36,36.32 70.99,35.69 70.99,30.25 65.15,24.41 65.15,18.54 64.49,17.88 CN13.6
  BOTTOM w0.127: v2(35.03,21.29) 35.95,21.29 36.9,20.33 55.17,20.33 57.34,18.16 63.47,18.16 CN13.6 ; v2(63.12,65.41) 64.52,65.41 66.42,67.31 68.45,67.31 68.94,67.8 SB29.2
ARD_D6: length 92.9
  TOP w0.127: v1(31.93,52.32) 31.92,52.31 31.92,51.64 32.25,51.31 32.25,50.9 32.56,50.58 U8.B3
  BOTTOM w0.127: v1(31.93,52.32) 31.52,52.73 31.52,54.39 30.19,55.72 30.19,56.29 29.71,56.77 22.05,56.77 21.54,56.26 21.23,56.26 19.39,54.42 18.55,54.42 18.21,54.08 17.02,54.08 15.94,52.99 15.94,50.86 18.8,48.01 18.8,43.43 21.84,40.39 21.84,36.32 22.48,35.69 24.34,35.69 31.72,28.31 31.72,24.28 34.16,21.84 35.97,21.84 37.1,20.71 55.33,20.71 55.62,20.42 CN13.7